# Altium PCB PCBv1.2.PcbDoc
Units mm, origin at the board's own origin, x right, y up, seen from the top; angles counter-clockwise.
Board outline 110 x 55 mm, 2 copper layers (Top Layer, Bottom Layer); 45 components, 53 nets, 189 pads, 60 vias.
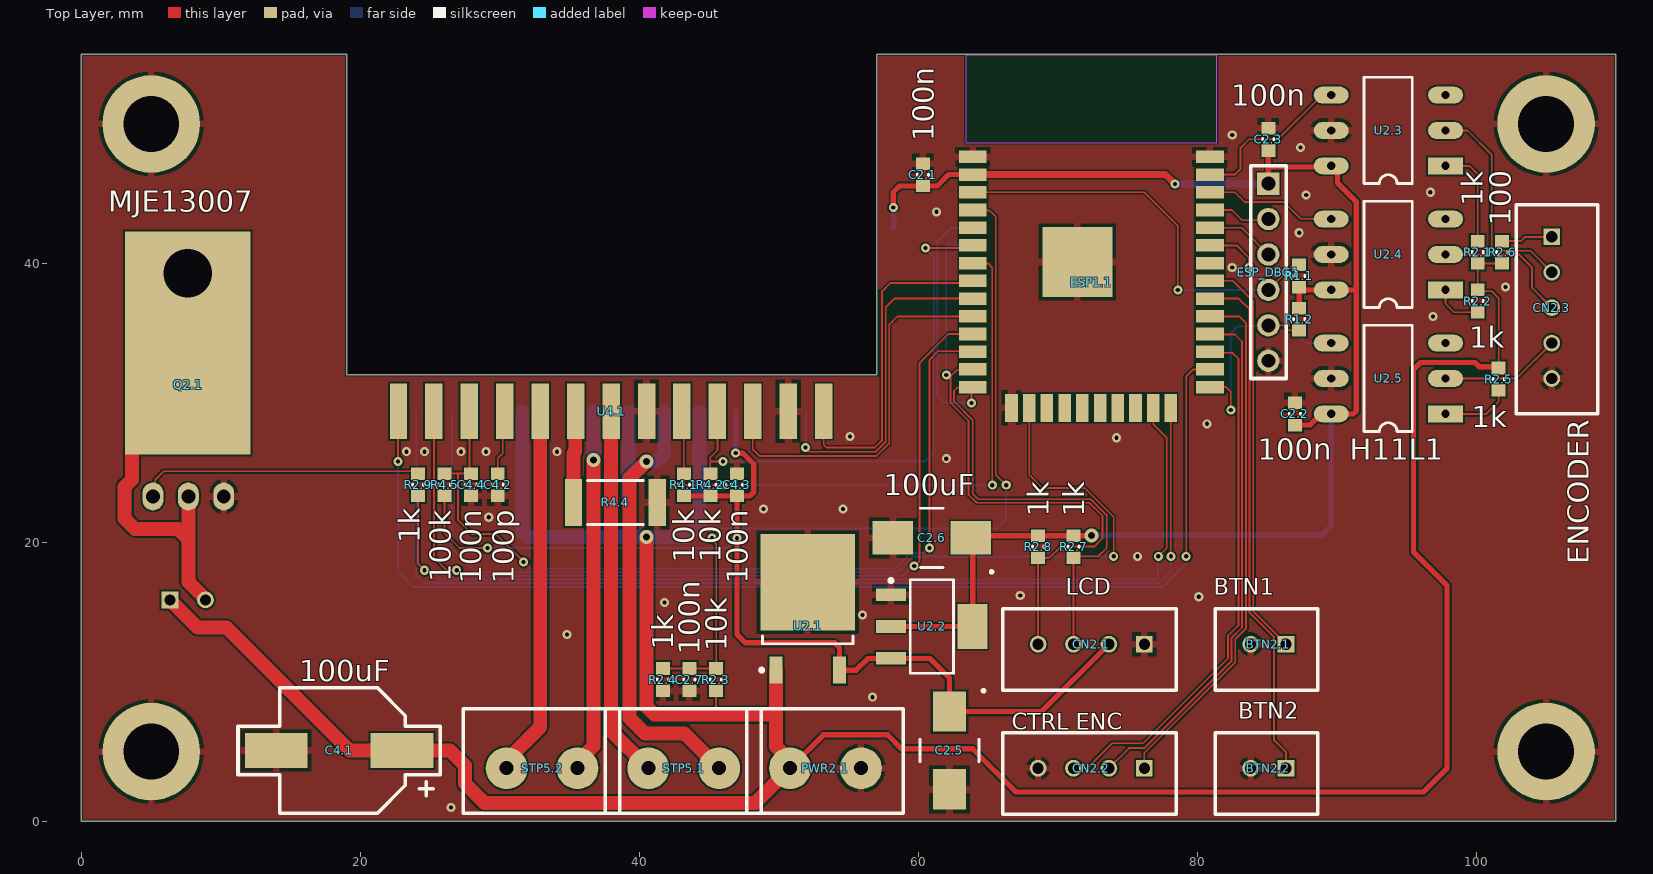
[diagram p0: Top Layer view]
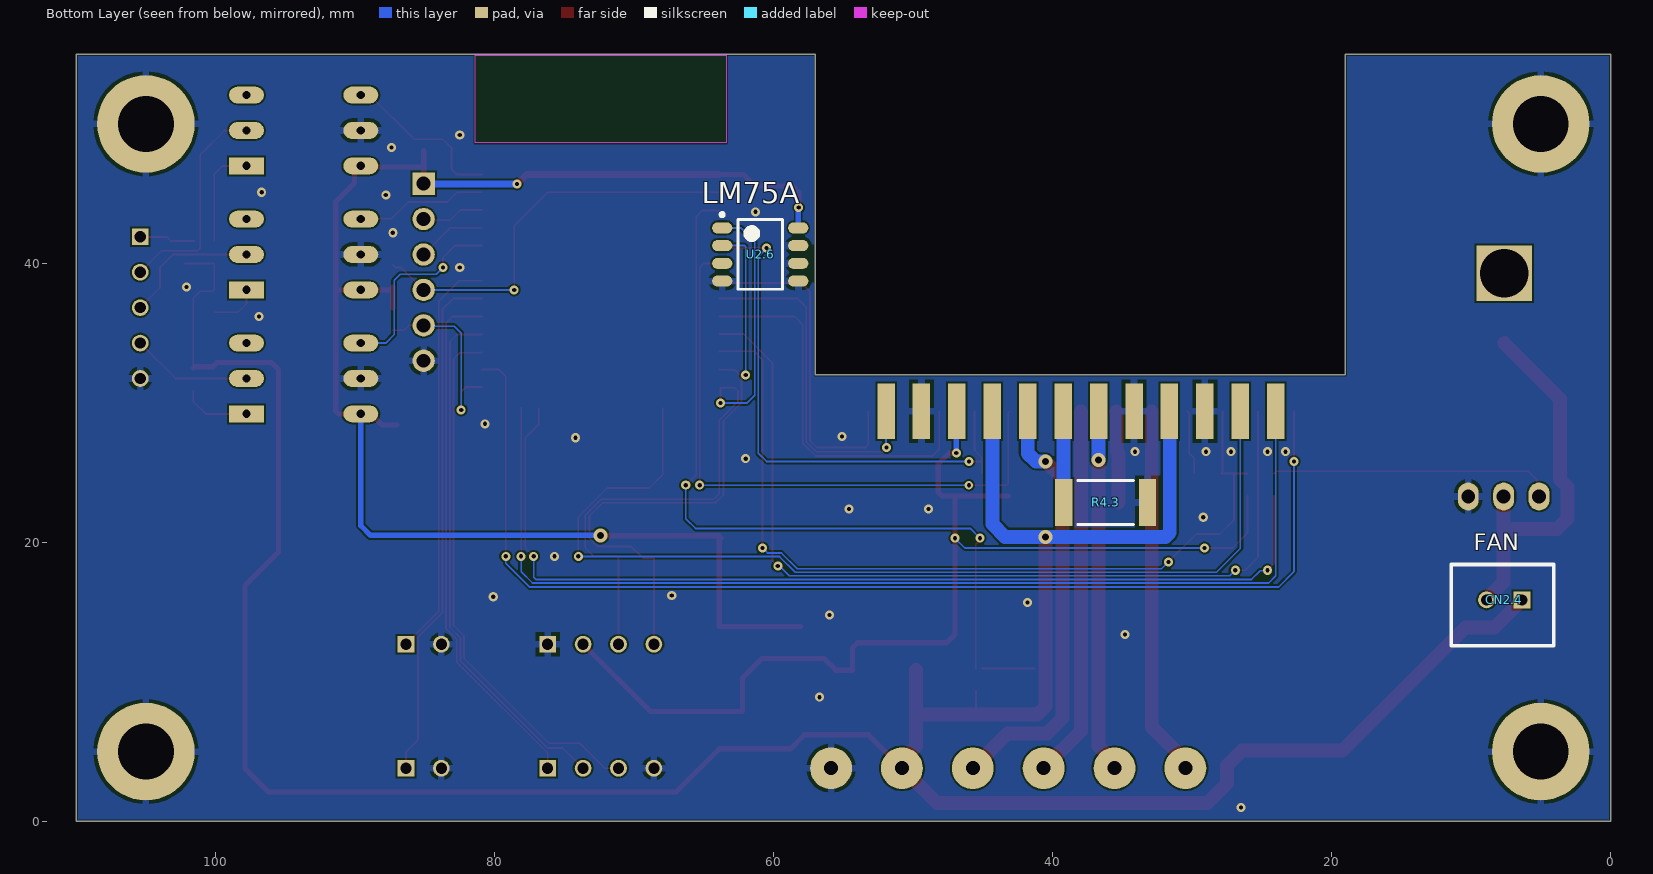
[diagram p1: Bottom Layer view, seen from below]

## Layer stack, top to bottom
Top Solder: solder mask 0.0102, Solder Resist, Dk 3.5
Top Layer: signal copper 0.0356
Dielectric 1: dielectric 0.32, FR-4, Dk 4.8
Bottom Layer: signal copper 0.0356
Bottom Solder: solder mask 0.0102, Solder Resist, Dk 3.5

## Board outline
0,0 0,55 19,55 19,32 57,32 57,55 110,55 110,0

## Design rules (kind name [scope] priority, off if disabled: settings)
BoardOutlineClearance [All] p1: gap=0.127 ignorepadtopadclearanceinfootprint=FALSE
Clearance [All] p1: gap=0.127 ignorepadtopadclearanceinfootprint=FALSE
HoleSize [All] p1: absolutevalues=TRUE maxlimit=6.3 minlimit=0.3 maxpercent=80.000 minpercent=20.000
MinimumAnnularRing [All] p1: minimumring=0.127
MinimumSolderMaskSliver [All] p1: minsoldermaskwidth=0.1
PasteMaskExpansion [All] p1: expansion=0.05
PolygonConnect PolygonConnect_1 [All] p1: thpad.connectstyle=Relief thpad.reliefconductorwidth=0.508 thpad.reliefentries=4 thpad.polygonreliefangle="90 Angle" thpad.airgapwidth=0.254 smdpad.connectstyle=Relief smdpad.reliefconductorwidth=0.508 smdpad.reliefentries=4 smdpad.polygonreliefangle="90 Angle" smdpad.airgapwidth=0.254 via.connectstyle=Direct via.reliefconductorwidth=0.508 via.reliefentries=4 via.polygonreliefangle="90 Angle" via.airgapwidth=0.254
RoutingCorners [All] p1: cornerstyle=Round minsetback=2.54 maxsetback=2.54
RoutingVias [All] p1: holewidth=0.5 width=1 viastyle="Through Hole" minholewidth=0.2 minwidth=0.45 maxholewidth=1 maxwidth=2
SilkToSilkClearance [All] p1: silktosilkclearance=0.05
SilkToSolderMaskClearance [IsPad] p1: minsilkscreentomaskgap=0.05 clearancetoexposedcopper=TRUE
SolderMaskExpansion [All] p1: expansion=0.05 istentingtop=FALSE
UnRoutedNet [All] p1: checkbadconnections=TRUE
Width [All] p1: maxlimit=5 minlimit=0.127 preferedwidth=0.381
23 further rules are at their usual default settings.

## Classes and differential pairs
component class U_TB6560AHQ_stepper_driver: C4.1 C4.2 C4.3 C4.4 R4.1 R4.2 R4.3 R4.4 R4.5 U4.1
component class U_ESP32_WROOM2: ESP1.1 ESP_DBG1 R1.1 R1.2
component class top_sheet: STP5.1 STP5.2
component class IO: BTN2.1 BTN2.2 C2.1 C2.2 C2.3 C2.5 C2.6 C2.7 CN2.1 CN2.2 CN2.3 CN2.4 PWR2.1 Q2.1 R2.1 R2.2 R2.3 R2.4 R2.5 R2.6 R2.7 R2.8 R2.9 U2.1 U2.2 U2.3 U2.4 U2.5 U2.6

## Components (designator, comment, footprint, x,y, rotation, side; value= is the part's Value field where it differs from the comment)
BTN2.1 "PIN HEADER 1x2" "XH2.54 2P" 86.36,12.7 r270 top (schematic designator BTN1)
BTN2.2 "PIN HEADER 1x2" "XH2.54 2P" 86.36,3.81 r270 top (schematic designator BTN2)
C2.1 "100n" CAPC0603(1608)55_N 60.325,46.355 r90 top (schematic designator C1)
C2.2 "100n" CAPC0603(1608)55_N 86.995,29.21 r90 top (schematic designator C2)
C2.3 "100n" CAPC0603(1608)55_N 85.09,48.895 r90 top (schematic designator C3)
C2.5 "100uF" TC7343 62.23,5.08 r270 top (schematic designator C5)
C2.6 "100uF" TC7343 60.96,20.32 r180 top (schematic designator C6)
C2.7 "100n" CAPC0603(1608)55_N 43.58,10.16 r270 top (schematic designator C7)
C4.1 "100uF" "10x10.5 Capacitor" 22.97,5.08 r180 top (schematic designator C1)
C4.2 "100p" CAPC0603(1608)55_N 29.845,24.13 r270 top (schematic designator C2)
C4.3 "100n" CAPC0603(1608)55_N 46.99,24.13 r90 top (schematic designator C3)
C4.4 "100n" CAPC0603(1608)55_N 27.94,24.13 r270 top (schematic designator C4)
CN2.1 "LCD" "XH2.54 4P" 76.2,12.7 r270 top (schematic designator CN1)
CN2.2 "PIN HEADER 1x4" "XH2.54 4P" 76.2,3.81 r270 top (schematic designator CN2)
CN2.3 "ENCODER" "XH2.54 5P" 105.41,41.91 r0 top (schematic designator CN3)
CN2.4 "PIN HEADER 1x2" "XH2.54 2P" 6.35,15.875 r270 bottom (schematic designator CN4)
ESP1.1 "ESP32" ESP32-WROOM 63.9,47.64 r0 top (schematic designator ESP1)
ESP_DBG1 "PIN HEADER 1x6" "PIN HEADER SINGLE 6" 85.09,45.72 r0 top (schematic designator ESP_DBG)
PWR2.1 "TBLOCK-M2" TBLOCK-M2 50.8,3.81 r0 top (schematic designator PWR1)
Q2.1 "MJE13007" "TO-220-3 H" 5.12,23.29 r0 top (schematic designator Q1)
R1.1 "10k" RESC0603(1608)_N 87.3,39.1 r90 top (schematic designator R1)
R1.2 "1k" RESC0603(1608)_N 87.3,36 r270 top (schematic designator R2)
R2.1 "1k" RESC0603(1608)_N 100.1,40.8 r270 top (schematic designator R1)
R2.2 "1k" RESC0603(1608)_N 100.1,37.3 r90 top (schematic designator R2)
R2.3 "10k" RESC0603(1608)_N 45.485,10.16 r270 top (schematic designator R3)
R2.4 "1k" RESC0603(1608)_N 41.675,10.16 r90 top (schematic designator R4)
R2.5 "1k" RESC0603(1608)_N 101.6,31.7 r90 top (schematic designator R5)
R2.6 "100" RESC0603(1608)_N 101.85,40.8 r270 top (schematic designator R6)
R2.7 "1k" RESC0603(1608)_N 71.12,19.685 r90 top (schematic designator R7)
R2.8 "1k" RESC0603(1608)_N 68.58,19.685 r90 top (schematic designator R8)
R2.9 "1k" RESC0603(1608)_N 24.13,24.13 r90 top (schematic designator R9)
R4.1 "10k" RESC0603(1608)_N 43.18,24.13 r270 top (schematic designator R1)
R4.2 "10k" RESC0603(1608)_N 45.085,24.13 r270 top (schematic designator R2)
R4.3 "TBD" RESC2512(6432)_N 36.195,22.86 r180 bottom (schematic designator R3)
R4.4 "TBD" RESC2512(6432)_N 38.275,22.86 r0 top (schematic designator R4)
R4.5 "100k" RESC0603(1608)_N 26.035,24.13 r270 top (schematic designator R5)
STP5.1 "TBLOCK-M2" TBLOCK-M2 40.64,3.81 r0 top (schematic designator STP1)
STP5.2 "TBLOCK-M2" TBLOCK-M2 30.48,3.81 r0 top (schematic designator STP2)
U2.1 "78M05" TO-252 52.07,15.24 r90 top (schematic designator U1)
U2.2 "AMS1117" SOT229P700X180-4N 60.96,13.97 r0 top (schematic designator U2)
U2.3 "H11L1" DIP06 97.79,46.99 r180 top (schematic designator U3)
U2.4 "H11L1" DIP06 97.79,38.1 r180 top (schematic designator U4)
U2.5 "H11L1" DIP06 97.79,29.21 r180 top (schematic designator U5)
U2.6 "LM75A" SO8 60.96,40.64 r180 bottom (schematic designator U6)
U4.1 "STP DRIVER" HZIP25_PCB 22.73,29.4 r0 top locked (schematic designator U1)

## Footprints (in the part's own frame and the unit in brackets; to place one, negate y for a bottom-side part, rotate by r counter-clockwise, add the part's x,y. Pads: shape width x height; smd on the part's side, far side on the other; paste and mask are expansions set on the pad)
"10x10.5 Capacitor" [mm]
  rect 4.5x2.5 smd: +(0,0) -(9,0)
  silkscreen extent -2.75,-4.5 11.75,4.5, body extent -0.7,-4.15 9.2,4.15, height 10.2
CAPC0603(1608)55_N [mm] "Chip Capacitor, Body 1.6x0.8mm, Height 0.55mm, IPC Medium Density"
  rect 0.9x1 smd: 1(-0.8,0) 2(0.8,0)
  silkscreen extent -0.05,-0.4 0.05,0.4, body extent -0.87,-0.48 0.88,0.47, height 0.55
DIP06 [mm]
  rect 2.5x1.2 hole 0.6: 1(0,0)
  oval 2.5x1.2 hole 0.6: 2(0,-2.54) 3(0,-5.08) 4(8.2,-5.08) 5(8.2,-2.54) 6(8.2,0)
  silkscreen extent 2.38,-6.35 5.84,1.27, body extent -0.3,-6.1 8.52,1.02, height 4.62
ESP32-WROOM [mm] "ESP32-WROOM-32 is a powerful, generic Wi-Fi+BT+BLE MCU module"
  rect 2x0.9 smd: 1(0,0) 2(0,-1.27) 3(0,-2.54) 4(0,-3.81) 5(0,-5.08) 6(0,-6.35) 7(0,-7.62) 8(0,-8.89) 9(0,-10.16) 10(0,-11.43) 11(0,-12.7) 12(0,-13.97) 13(0,-15.24) 14(0,-16.51) 25(17,-16.51) 26(17,-15.24) 27(17,-13.97) 28(17,-12.7) 29(17,-11.43) 30(17,-10.16) 31(17,-8.89) 32(17,-7.62) 33(17,-6.35) 34(17,-5.08) 35(17,-3.81) 36(17,-2.54) 37(17,-1.27) 38(17,0)
  rect 0.9x2 smd: 15(2.775,-18) 16(4.045,-18) 17(5.315,-18) 18(6.585,-18) 19(7.855,-18) 20(9.125,-18) 21(10.395,-18) 22(11.665,-18) 23(12.935,-18) 24(14.205,-18)
  rect 5x5 smd: 39(7.5,-7.54)
  Keep-Out Layer region: -0.5,1 17.5,1 17.5,7.3 -0.5,7.3
  body extent -0.5,-18.05 17.5,7.45, height 2.91
HZIP25_PCB [mm] "IC packege HZIP 25 pins pitch 1.27mm"
  rect 1.25x4 smd: 1(0,0) 3(2.54,0) 5(5.08,0) 7(7.62,0) 9(10.16,0) 11(12.7,0) 13(15.24,0) 15(17.78,0) 17(20.32,0) 19(22.86,0) 21(25.4,0) 23(27.94,0) 25(30.48,0)
  rect 1.25x4 smd far side: 2(1.27,0) 4(3.81,0) 6(6.35,0) 8(8.89,0) 10(11.43,0) 12(13.97,0) 14(16.51,0) 16(19.05,0) 18(21.59,0) 20(24.13,0) 22(26.67,0) 24(29.21,0)
  body extent -2.76,-1.15 33.24,19.54, height 0.42
"PIN HEADER SINGLE 6" [mm]
  rect 1.6x1.6 hole 1: 1(0,0)
  round 1.6 hole 1: 2(0,-2.54) 3(0,-5.08) 4(0,-7.62) 5(0,-10.16) 6(0,-12.7)
  silkscreen extent -1.27,-13.97 1.27,1.27, body extent -1.27,-13.97 1.27,1.27, height 8.19
RESC0603(1608)_N [mm] "Chip Resistor, Body 1.6x0.8mm, IPC Medium Density"
  rect 0.9x1 smd: 1(-0.8,0) 2(0.8,0)
  silkscreen extent -0.05,-0.4 0.05,0.4, body extent -0.85,-0.47 0.85,0.47, height 0.6
RESC2512(6432)_N [mm] "Chip Resistor, Body 6.4x3.2mm, IPC Medium Density"
  rect 1.25x3.35 smd: 1(-3,0) 2(3,0)
  silkscreen extent -2,-1.57 2,1.58, body extent -3.13,-1.58 3.17,1.57, height 0.62
SO8 [mm] "SOIC, 8-Leads, Body 4,90x4,00mm, Pitch 1,27mm, IPC Medium Density"
  oval 1.45x0.8 smd: 1(-2.725,1.905) 2(-2.725,0.635) 3(-2.725,-0.635) 4(-2.725,-1.905) 5(2.725,-1.905) 6(2.725,-0.635) 7(2.725,0.635) 8(2.725,1.905)
  silkscreen extent -2.85,-2.5 1.6,2.98, body extent -3.08,-2.5 3.08,2.5, height 2
SOT229P700X180-4N [mm] "SOT223, 4-Leads, Body 6,50x7,00mm (avg), Pitch 2,29mm, IPC Medium Density"
  rect 2.15x0.9 smd: 1(-2.93,2.29) 2(-2.93,0) 3(-2.93,-2.29)
  rect 2.15x3.25 smd: 4(2.93,0)
  silkscreen extent -3.05,-3.35 1.55,3.41, body extent -3.54,-3.25 3.54,3.25, height 1.65
TBLOCK-M2 [mm]
  round 3 hole 1: 1(0,0) 2(5.08,0)
  silkscreen extent -3.1,-3.24 8.1,4.26, body extent -3.08,-3.24 8.08,4.26, height 10
TC7343 [mm] "Chip Capacitor, 2-Leads, Body 7,30x4,30mm, IPC Medium Density"
  rect 2.9x2.4 smd: +(-2.794,0) -(2.794,0)
  silkscreen extent -4.39,-2.12 0.8,2.54, body extent -3.7,-2.22 3.7,2.22, height 3.01
"TO-220-3 H" [mm] "TO-220-3 Horisontal screwed"
  oval 1.5x2 hole 1: 1(0,0) 2(2.54,0) 3(5.08,0)
  rect 9x16 smd: 2(2.5,11)
  rect 4x4 hole 3.5: 2(2.5,16)
  body extent -2.56,-0.35 7.6,19.15, height 4.2
TO-252 [mm] "D-PAK, 3-Pads, Body 6,21x6,61mm (max), IPC Medium Density"
  rect 1.95x0.95 smd: 1(-4.4,2.28) 3(-4.4,-2.28)
  rect 6.9x6.8 smd: 2(1.9,0)
  silkscreen extent -4.52,-3.25 -1.95,3.43, body extent -4.89,-3.3 4.81,3.28, height 2.3
"XH2.54 2P" [mm]
  rect 1.2x1.2 hole 0.8: 1(0,0)
  round 1.2 hole 0.8: 2(0,-2.54)
  silkscreen extent -2.54,-5.08 3.3,2.29, body extent -2.49,-4.88 3.35,2.34, height 7.21
"XH2.54 4P" [mm]
  rect 1.2x1.2 hole 0.8: 1(0,0)
  round 1.2 hole 0.8: 2(0,-2.54) 3(0,-5.08) 4(0,-7.62)
  silkscreen extent -2.54,-10.16 3.3,2.29, body extent -2.49,-9.96 3.35,2.34, height 7.21
"XH2.54 5P" [mm]
  rect 1.2x1.2 hole 0.8: 1(0,0)
  round 1.2 hole 0.8: 2(0,-2.54) 3(0,-5.08) 4(0,-7.62) 5(0,-10.16)
  silkscreen extent -2.54,-12.7 3.3,2.29, body extent -2.49,-12.5 3.35,2.34, height 7.21

## Part data
BTN2.1 BTN2.2 CN2.4: library part "PIN HEADER 2.54 1x2"
C2.1 C2.2 C2.3 C2.7 C4.2 C4.3 C4.4: library part "Capacitor M", "Ceramic capacitor Medium density"
C2.5 C2.6 C4.1: library part "Capacitor Electrolitic", "Capacitor Electrolitic"
CN2.1 CN2.2: library part "PIN HEADER 2.54 1x4"
CN2.3: library part "PIN HEADER 2.54 1x5"
ESP1.1: library part ESP32S, "ESP32-WROOM-32 is a powerful, generic Wi-Fi+BT+BLE MCU module"
ESP_DBG1: library part "PIN HEADER 2.54 1x6"
Q2.1: "Switch-mode NPN Bipolar  Power Transistor", Fmax=14MHz, hfe=30-40, Ic=8A, Vceo=400V, Vces=700V, Vebo=9V
R1.1 R1.2 R2.1 R2.2 R2.3 R2.4 R2.5 R2.6 R2.7 R2.8 R2.9 R4.1 R4.2 R4.3 R4.4 R4.5: library part "Resistor M", "Resistor Medium Density"
U2.1: "Linear Voltage Regulator", DC Input Voltage MAX=30V, Output Current=300..700mA
U2.2: "800mA LDO  15V max"
U2.6: "Digital temperature sensor"
U4.1: library part TB6560AHQ, "PWM chopper-type stepping motor / driver IC designed for sinusoidal-input microstep control of / bipolar stepping motors", I out="3.5 A", VDD=5V, VDSS Max=40V
U2.3 U2.4 U2.5: If max=30mA, If ON/OFF=1mA, Vf (10mA)=1.2V

## Free pads (board coordinates)
  round 7 hole 4: ""(5,5) ""(5,50) ""(105,5) ""(105,50)

## Via types
v1: diameter 0.65, hole 0.3, Top Layer to Bottom Layer, 55 vias
v2: diameter 1, hole 0.5, Top Layer to Bottom Layer, 4 vias
v3: diameter 0.6, hole 0.3, Top Layer to Bottom Layer, 1 vias

## Nets (pads, with @x,y where several pads share a name; then routed paths per layer and width w, separated by ;. In a path a pad name is that pad's centre, name@x,y a point inside that pad or via, vN(x,y) a via of type N, cw(c..) or ccw(c..) an arc to the next point about the centre after c; other vN are vias at no path point)
+3.3V: C2.1.1 C2.2.1 C2.3.1 C2.6.+ ESP1.1.2 ESP_DBG1.1 R1.1.1 R1.2.1 R2.7.2 R2.8.2 U2.2.2 U2.2.4 U2.3.6 U2.4.6 U2.5.6 U2.6.8 | length 112.5
  Top Layer w0.381: U2.2.2 U2.2.4 63.89,20.184 C2.6.+ 63.919,20.485 R2.8.2 R2.7.2 72.385,20.485 v2(72.4,20.5) ; v1(58.2,44) 58.2,45.1 58.655,45.555 C2.1.1 61.355,45.555 62.17,46.37 ESP1.1.2 ; ESP_DBG1.1 85.09,46.908 ; C2.3.1 85.09,46.908 ; C2.2.1 88.083,28.41 88.883,29.21 U2.5.6 91.177,29.21 91.4,29.433 91.4,38.1 ; R1.2.1 R1.1.1 87.5,38.1 91.4,38.1 ; 85.09,46.908 89.508,46.908 U2.3.6 89.671,46.99 90.049,46.612 90.049,45.751 91.4,44.4 91.4,38.1
  Top Layer w0.5: ESP1.1.2 77.73,46.37 v1(78.4,45.7)
  Bottom Layer w0.127: ESP_DBG1.1@85.07,45.7 ESP_DBG1.1
  Bottom Layer w0.381: v1(58.2,44) 58.2,43.981 58.235,43.946 U2.6.8 ; v2(72.4,20.5) 88.9,20.5 89.59,21.19 U2.5.6
  Bottom Layer w0.5: v1(78.4,45.7) ESP_DBG1.1@85.07,45.7
+5: C2.5.+ C4.3.1 CN2.1.2 R4.1.2 R4.2.2 R4.5.2 U2.1.3 U2.2.3 U4.1.20 | length 80.1
  Top Layer w0.127: R4.5.2 26.035,20.665 27.1,19.6 v1(29.1,19.6)
  Top Layer w0.381: R4.1.2 C4.3.1 ; v1(46.9,26.4) 46.913,26.387 47.413,26.387 48.2,25.6 48.2,23.6 47.93,23.33 C4.3.1 ; CN2.1.2 68.834,7.874 C2.5.+ 62.23,10.27 60.82,11.68 U2.2.3 56.38,11.68 55.54,10.84 U2.1.3 54.35,12.45 54,12.8 47.6,12.8 46.99,13.41 46.99,20.29 v1(47,20.3) 46.995,20.305 46.995,23.325 C4.3.1
  Bottom Layer w0.127: v1(29.1,19.6) 46.3,19.6 v1(47,20.3)
  Bottom Layer w0.381: U4.1.20 46.9,29.36 v1(46.9,26.4)
A+: STP5.1.2 U4.1.16 | length 31.3
  Top Layer w1: v2(40.5,25.8) 39.3,24.6 39.3,7.4 40.4,6.3 43.23,6.3 STP5.1.2
  Bottom Layer w1: v2(40.5,25.8) 41.194,25.8 41.78,26.386 U4.1.16
A-: STP5.1.1 U4.1.13 | length 26.7
  Top Layer w1: U4.1.13 37.97,6.48 STP5.1.1
AN0: C2.7.1 ESP1.1.4 R2.3.1 R2.4.2 | length 58.8
  Top Layer w0.127: R2.4.2@41.275,10.96 R2.3.1@45.085,10.96 ; v1(45.2,20.3) 45.2,20.171 45.5,19.871 45.5,10.975 R2.3.1 ; ESP1.1.4 63.93,43.8 65.1,43.8 65.554,43.346 65.554,24.846 v1(66.3,24.1)
  Bottom Layer w0.127: v1(45.2,20.3) 45.9,21 65.6,21 66.3,21.7 v1(66.3,24.1)
AN1: ESP1.1.5
B+: STP5.2.2 U4.1.12 | length 26.1
  Top Layer w1: STP5.2.2 35.56,4.256 36.7,5.396 v2(36.7,25.9)
  Bottom Layer w1: v2(36.7,25.9) U4.1.12
B-: STP5.2.1 U4.1.9 | length 26.6
  Top Layer w1: STP5.2.1 30.48,4.351 32.89,6.761 U4.1.9
BOOT: ESP1.1.25 ESP_DBG1.5 R1.2.2 | length 13.7
  Top Layer w0.127: ESP1.1.25 82.07,31.13 82.4,30.8 v1(82.4,29.5) ; ESP_DBG1.5 86.14,35.56 86.5,35.2 R1.2.2
  Bottom Layer w0.127: v1(82.4,29.5) 82.4,35 82.9,35.5 85.03,35.5 ESP_DBG1.5
BTN1: BTN2.1.1 ESP1.1.31 | length 29.3
  Top Layer w0.127: ESP1.1.31 82.55,38.75 84,37.3 84,15.06 BTN2.1.1
BTN2: BTN2.2.1 ESP1.1.30 | length 37.1
  Top Layer w0.127: ESP1.1.30 82.966,37.48 83.746,36.7 83.746,14.954 85.5,13.2 85.5,5.8 86.36,4.94 BTN2.2.1
DCY1: ESP1.1.8 U4.1.25 | length 24.4
  Top Layer w0.127: U4.1.25 53.21,26.99 53.4,26.8 56.882,26.8 57.4,27.318 57.4,38 58,38.6 63.75,38.6 ESP1.1.8
DCY2: ESP1.1.9 U4.1.24 | length 24.9
  Top Layer w0.127: v1(51.9,26.8) 52.2,26.5 56.941,26.5 57.654,27.213 57.654,36.854 58.28,37.48 ESP1.1.9
  Bottom Layer w0.127: v1(51.9,26.8) 51.94,26.84 U4.1.24
DRIVER_CTRL.CLK: ESP1.1.11 U4.1.3 | length 65.2
  Top Layer w0.127: U4.1.3 25.27,18.93 26.2,18 v1(26.9,18) ; v1(59.7,18.3) 60.085,18.684 60.085,32.884 62.14,34.94 ESP1.1.11
  Bottom Layer w0.127: v1(26.9,18) 27.3,17.6 58.871,17.6 59.571,18.3 v1(59.7,18.3)
DRIVER_CTRL.DIR: ESP1.1.10 U4.1.21 | length 27.8
  Top Layer w0.127: U4.1.21 48.13,26.67 48.6,26.2 57,26.2 57.908,27.108 57.908,35.608 58.5,36.2 63.89,36.2 ESP1.1.10
DRIVER_CTRL.EN: ESP1.1.16 U4.1.4 | length 73.4
  Top Layer w0.127: ESP1.1.16 67.945,24.855 68.9,23.9 71.918,23.9 74,21.818 v1(74,19)
  Bottom Layer w0.127: U4.1.4 26.54,19.56 28.246,17.854 58.454,17.854 59.584,18.984 73.984,18.984 v1(74,19)
DRV_RST: C4.4.1 ESP1.1.12 R4.5.1 U4.1.5 | length 62.5
  Top Layer w0.127: R4.5.1 26.987,24.93 ; U4.1.5 27.81,25.06 C4.4.1 26.987,24.93 ; v1(31.7,18.6) 29.7,20.6 28,20.6 26.987,21.612 26.987,24.93 ; v1(60.8,19.6) 60.8,33.1 61.4,33.7 63.87,33.7 ESP1.1.12
  Bottom Layer w0.127: v1(31.7,18.6) 32.192,18.108 58.308,18.108 59.438,19.238 60.432,19.238 60.794,19.6 v1(60.8,19.6)
DTR: ESP1.1.3 ESP_DBG1.4 R1.1.2 | length 29.7
  Top Layer w0.127: ESP1.1.3 76.2,45.1 78.6,42.7 v1(78.6,38.1) ; ESP_DBG1.4 85.1,38.1 86.7,39.7 87.1,39.7 R1.1.2
  Bottom Layer w0.127: v1(78.6,38.1) ESP_DBG1.4
E_ENC_A: ESP1.1.37 U2.3.4 | length 11.9
  Top Layer w0.127: ESP1.1.37 82.67,46.37 83.1,46.8 83.1,48.3 83.7,48.9 85.77,48.9 88.94,52.07 U2.3.4
E_ENC_B: ESP1.1.36 U2.4.4 | length 9.5
  Top Layer w0.127: ESP1.1.36 82.7,45.1 83.4,44.4 86.2,44.4 87.4,43.2 89.57,43.2 U2.4.4
E_ENC_Z: ESP1.1.33 U2.5.4 | length 14.3
  Top Layer w0.127: ESP1.1.33 82.81,41.29 83.7,40.4 v1(83.7,39.7)
  Bottom Layer w0.127: v1(83.7,39.7) 84.181,39.219 86.781,39.219 87.2,38.8 87.2,34.9 87.81,34.29 U2.5.4
ERR: ESP1.1.6 R4.2.1 U4.1.19 | length 39.4
  Top Layer w0.127: R4.2.1 45.085,25.8 ; U4.1.19 45.6,29.39 45.6,26.6 45.085,26.085 45.085,25.8 ; v1(46,25.8) 45.085,25.8 ; v1(60.5,41.1) 63.71,41.1 ESP1.1.6
  Bottom Layer w0.127: v1(46,25.8) 60.5,25.8 61.1,26.4 61.1,40.476 60.5,41.076 v1(60.5,41.1)
FAN_EN: ESP1.1.23 R2.9.1 | length 71.2
  Top Layer w0.127: R2.9.1 24.13,18.47 v1(24.6,18) ; ESP1.1.23 76.835,28.465 77.8,27.5 77.8,19.6 v1(77.2,19)
  Bottom Layer w0.127: v1(24.6,18) 24.634,17.966 25.115,17.966 25.736,17.346 77.046,17.346 77.2,17.5 v1(77.2,19)
GND: BTN2.1.2 BTN2.2.2 C2.1.2 C2.2.2 C2.3.2 C2.5.- C2.6.- C2.7.2 C4.1.- C4.2.2 C4.3.2 C4.4.2 CN2.1.1 CN2.2.4 CN2.3.5 ESP1.1.1 ESP1.1.15 ESP1.1.38 ESP1.1.39 ESP_DBG1.6 pad. PWR2.1.2 Q2.1.3 R2.4.1 R4.3.2 R4.4.2 U2.1.2 U2.2.1 U2.3.5 U2.4.5 U2.5.5 U2.6.4 U2.6.5 U2.6.6 U2.6.7 U4.1.6 U4.1.10 U4.1.15 U4.1.22 U4.1.23
  other v1: 26.5,1 56.7,8.9 34.8,13.4 56,14.8 41.8,15.7 80.1,16.1 67.3,16.2 75.7,19 29.2,21.8 48.9,22.4 54.6,22.4 62,26 23.3,26.5 24.6,26.5 27.2,26.5 29,26.5 34.1,26.5 74.2,27.5 55.1,27.6 80.7,28.5 96.9,36.2 102.1,38.3 82.5,39.7 87.3,42.2 61.3,43.7 87.8,44.9 96.7,45.1 87.4,48.3 82.5,49.2
I_ENC_A: CN2.2.3 ESP1.1.27 | length 38.4
  Top Layer w0.127: CN2.2.3 72.11,3.81 73.9,5.6 76.1,5.6 82.2,11.7 82.2,13.3 82.946,14.046 82.946,33.154 82.5,33.6 80.97,33.6 ESP1.1.27
I_ENC_B: CN2.2.2 ESP1.1.28 | length 37.7
  Top Layer w0.127: CN2.2.2 75.1,5.25 76.191,5.25 82.454,11.513 82.454,13.154 83.2,13.9 83.2,34.4 82.7,34.9 80.94,34.9 ESP1.1.28
I_ENC_BTN: CN2.2.1 ESP1.1.29 | length 37.7
  Top Layer w0.127: CN2.2.1 76.2,4.9 82.708,11.408 82.708,13.049 83.492,13.833 83.492,35.708 83,36.2 80.91,36.2 ESP1.1.29
IO6: ESP1.1.20
IO7: ESP1.1.21
IO8: ESP1.1.22
IO9: ESP1.1.17
IO10: ESP1.1.18
IO11: ESP1.1.19
MO: ESP1.1.7 R4.1.1 U4.1.17 | length 44.5
  Top Layer w0.127: U4.1.17 43.18,29.27 R4.1.1 43.18,24.22 43.3,24.1 v3(46,24.1) ; ESP1.1.7 63.92,40 65,40 65.3,39.7 v1(65.3,24.1)
  Bottom Layer w0.127: v3(46,24.1) v1(65.3,24.1)
NetC4.2_1: C4.2.1 U4.1.7 | length 4.7
  Top Layer w0.127: C4.2.1 29.845,26.045 30.2,26.4 30.2,29.25 U4.1.7
NetCN2.3_1: CN2.3.1 R2.6.1 | length 4
  Top Layer w0.127: R2.6.1@101.5,41.6 103.2,41.6 103.5,41.9 105.4,41.9 CN2.3.1
NetCN2.3_2: CN2.3.2 U2.3.2 | length 15.8
  Top Layer w0.127: U2.3.2 99.37,49.53 101.1,47.8 101.1,41.1 101.3,40.9 103.88,40.9 CN2.3.2
NetCN2.3_3: CN2.3.3 U2.4.2 | length 10.1
  Top Layer w0.127: U2.4.2 97.796,40.646 103.054,40.646 104,39.7 104,38.24 CN2.3.3
NetCN2.3_4: CN2.3.4 U2.5.2 | length 8.7
  Top Layer w0.127: U2.5.2 102.87,31.75 CN2.3.4
NetCN2.4_2: CN2.4.2 Q2.1.2 | length 27.6
  Top Layer w1: Q2.1.2@7.62,34.29 3.62,30.29 3.62,24.505 3.1,23.985 3.1,21.7 3.838,20.962 6.922,20.962 7.66,20.225 ; Q2.1.2@7.66,23.29 7.66,20.225 ; CN2.4.2 8.89,15.929 7.66,17.159 7.66,20.225
NetQ2.1_1: Q2.1.1 R2.9.2 | length 20.4
  Top Layer w0.127: Q2.1.1 5.28,23.45 5.28,24.48 5.9,25.1 23.96,25.1 R2.9.2
NetR2.1_1: R2.1.1 U2.3.1 | length 7.4
  Top Layer w0.127: U2.3.1 99.51,46.99 100.1,46.4 R2.1.1
NetR2.2_1: R2.2.1 U2.4.1 | length 3.6
  Top Layer w0.127: U2.4.1 97.79,37.11 98.4,36.5 R2.2.1
NetR2.5_1: R2.5.1 U2.5.1 | length 5
  Top Layer w0.127: U2.5.1 100.71,29.21 101.6,30.1 R2.5.1
NetR4.3_1: R4.3.1 U4.1.14 | length 6.6
  Bottom Layer w1: R4.3.1 39.218,22.883 39.218,29.378 U4.1.14
NetR4.4_1: R4.4.1 U4.1.11 | length 6.6
  Top Layer w1: R4.4.1 35.275,26.375 35.4,26.5 35.4,29.37 U4.1.11
RXD: ESP1.1.35 ESP_DBG1.2 | length 4.5
  Top Layer w0.127: ESP1.1.35 82.47,43.83 83.2,43.1 85.01,43.1 ESP_DBG1.2
SCL: CN2.1.4 ESP1.1.13 R2.8.1 U2.6.2 | length 45.3
  Top Layer w0.127: v1(62,32) 62.1,31.9 v1@62.3,31.9 ; ESP1.1.13 63.884,32.384 62.784,32.384 v1@62.3,31.9 ; CN2.1.4 R2.8.1 69.385,18.885 70.2,19.7 72.6,19.7 73.2,20.3 73.2,21.9 72.254,22.846 64.195,22.846 64.141,22.9 64.1,22.9 63.6,23.4 63.6,28.7 62.3,30 v1@62.3,31.9
  Bottom Layer w0.127: v1(62,32) 62,41.2 62.075,41.275 U2.6.2
SDA: CN2.1.3 ESP1.1.14 R2.7.1 U2.6.1 | length 48.2
  Top Layer w0.127: v1(63.8,30) 63.8,31.084 62.784,31.084 62.554,30.854 62.554,30.105 63.9,28.759 63.9,23.5 64.3,23.1 72.359,23.1 73.5,21.959 73.5,19.6 72.9,19 71.235,19 R2.7.1 CN2.1.3
  Bottom Layer w0.127: U2.6.1 62.345,42.545 61.354,41.554 61.354,30.546 61.9,30 v1(63.8,30)
TQ1: ESP1.1.24 U4.1.2 | length 78.2
  Top Layer w0.127: v1(78.1,19) 78.1,29.635 ESP1.1.24
  Bottom Layer w0.127: U4.1.2 24,17.6 24.516,17.084 77.284,17.084 78.1,17.9 v1(78.1,19)
TQ2: ESP1.1.26 U4.1.1 | length 84.5
  Top Layer w0.127: v1(22.7,25.8) 22.7,29.37 U4.1.1 ; v1(79.2,19) 79.2,31.9 79.7,32.4 ESP1.1.26
  Bottom Layer w0.127: v1(22.7,25.8) 22.7,17.9 23.804,16.796 77.496,16.796 79.2,18.5 v1(79.2,19)
TXD: ESP1.1.34 ESP_DBG1.3 | length 5
  Top Layer w0.127: ESP1.1.34 83.17,42.56 ESP_DBG1.3
VP: C4.1.+ CN2.4.1 PWR2.1.1 R2.1.2 R2.2.2 R2.3.2 R2.5.2 R2.6.2 U2.1.1 U4.1.8 U4.1.18 | length 210.6
  Top Layer w0.127: 45.369,7.647 45.485,7.762 R2.3.2 ; R2.5.2 101.6,37.5 101.1,38 100.2,38 R2.2.2 R2.1.2 R2.6.2 R2.6.2@102.2,40
  Top Layer w0.381: PWR2.1.1 53.19,6.2 57.8,6.2 58.8,5.2 63.9,5.2 67,2.1 96.2,2.1 97.9,3.8 97.9,16.9 95.5,19.3 95.5,32.4 96,32.9 99.9,32.9 100.2,32.6 101.5,32.6 R2.5.2
  Top Layer w1: CN2.4.1 8.325,13.9 10.4,13.9 19.22,5.08 C4.1.+ 26.42,5.08 27.5,4 27.5,2.7 28.9,1.3 48.29,1.3 PWR2.1.1 50.8,4.351 49.8,5.351 49.8,7.5 ; v2(40.5,20.4) 40.5,8.233 41.086,7.647 45.369,7.647 49.653,7.647 49.8,7.5 ; U2.1.1 49.8,10.83 49.8,7.5
  Bottom Layer w1: U4.1.8 31.6,29.38 31.6,20.694 31.894,20.4 v2(40.5,20.4) 43.4,20.4 44.32,21.32 U4.1.18
pads on no net: ESP1.1.32 U2.3.3 U2.4.3 U2.5.3 U2.6.3

## Polygon pours and split planes (outlines as drawn)
GND on Top Layer "TOP_GND" (solid, remove dead copper, pour order 0): 0,0 0,55 19,55 19,32 57,32 57,55 110,55 110,0
GND on Bottom Layer "BOT_GND" (solid, remove dead copper, pour order 1): 0,0 0,55 19,55 19,32 57,32 57,55 110,55 110,0

## Silkscreen, mask and mechanical layers (free items; w line width, h text height)
Top Overlay:
  text "LCD" at 70.56,15.848 h2
  text "BTN1" at 81.173,15.848 h2
  text "BTN2" at 82.918,6.978 h2
  text "CTRL ENC" at 66.704,6.169 h2
Bottom Overlay:
  text "FAN" at 9.792,19.043 h2
Board Overlay:
  lines w0.254: 0,0 0,55 19,55 19,50 19,32 57,32 57,55 110,55

## Text inside footprints (layer, text, board x,y; h text height)
U4.1: Mechanical 1 "board edge" at -18.654,32.232 h3